# Altium PCB Mag256_9mm.PcbDoc (part 1 of 6) (continued)
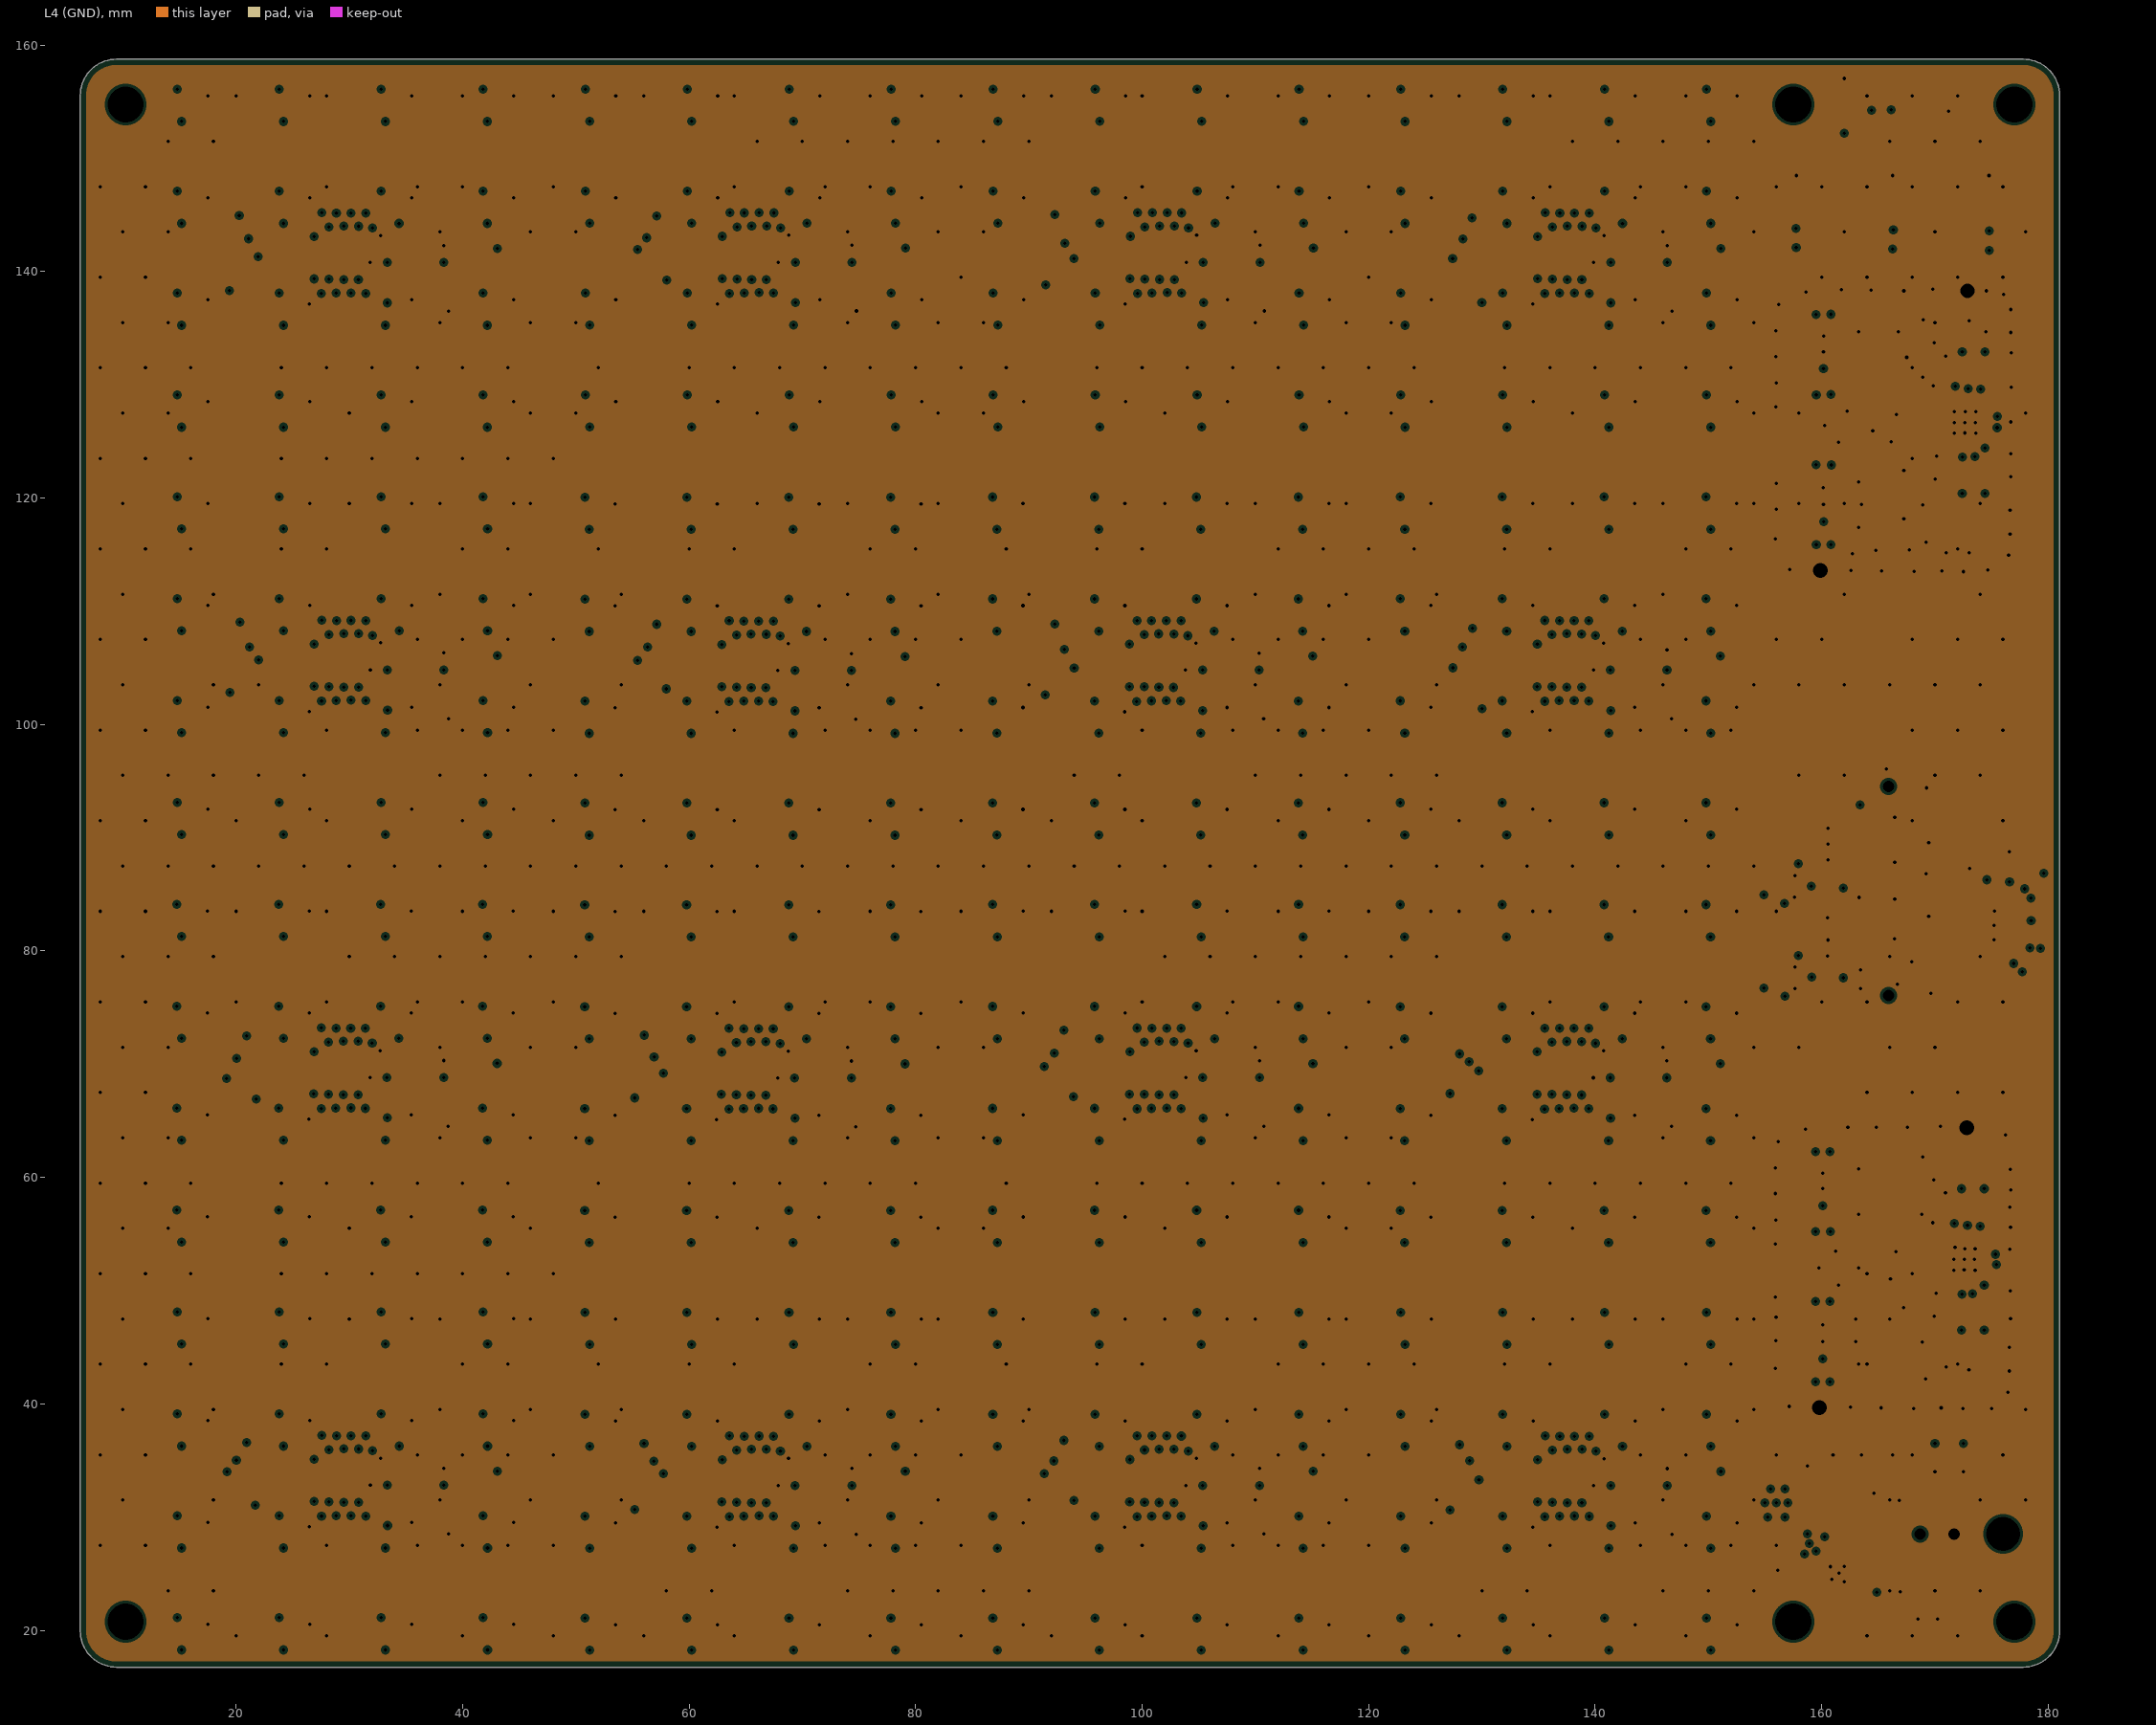
[diagram p4: L4 (GND), clearances drawn from the general rule]
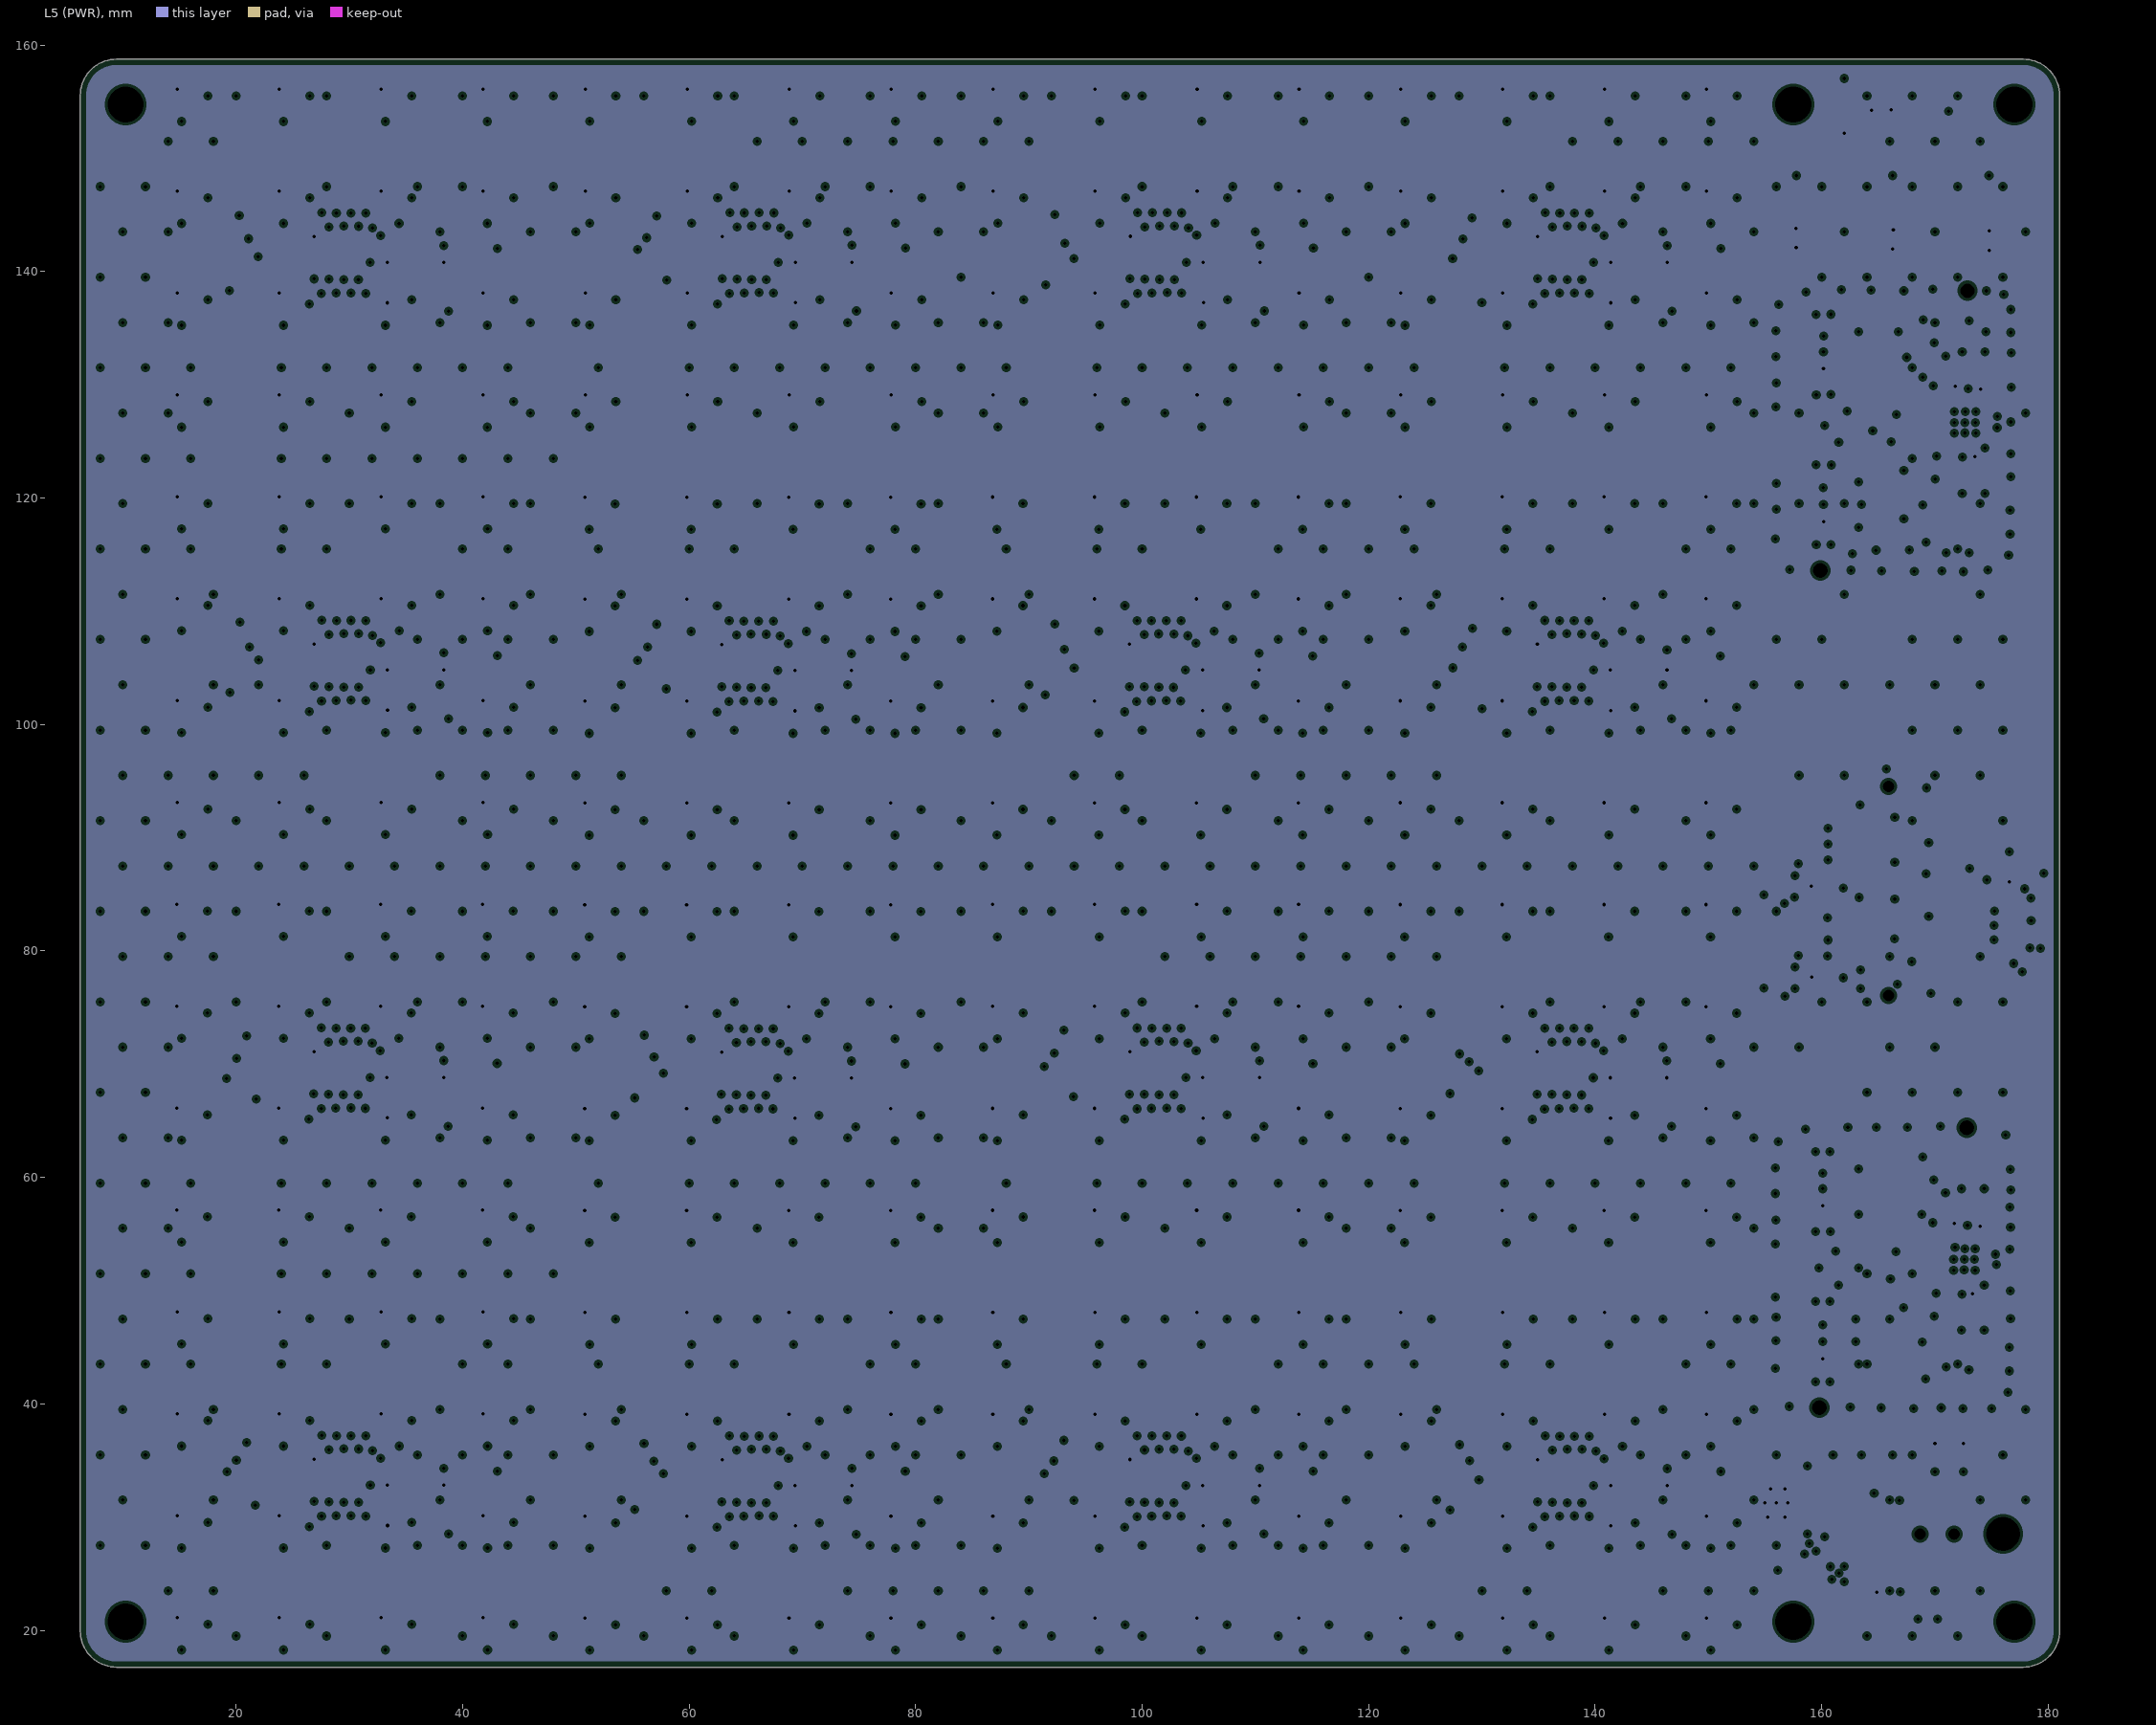
[diagram p5: L5 (PWR), clearances drawn from the general rule]
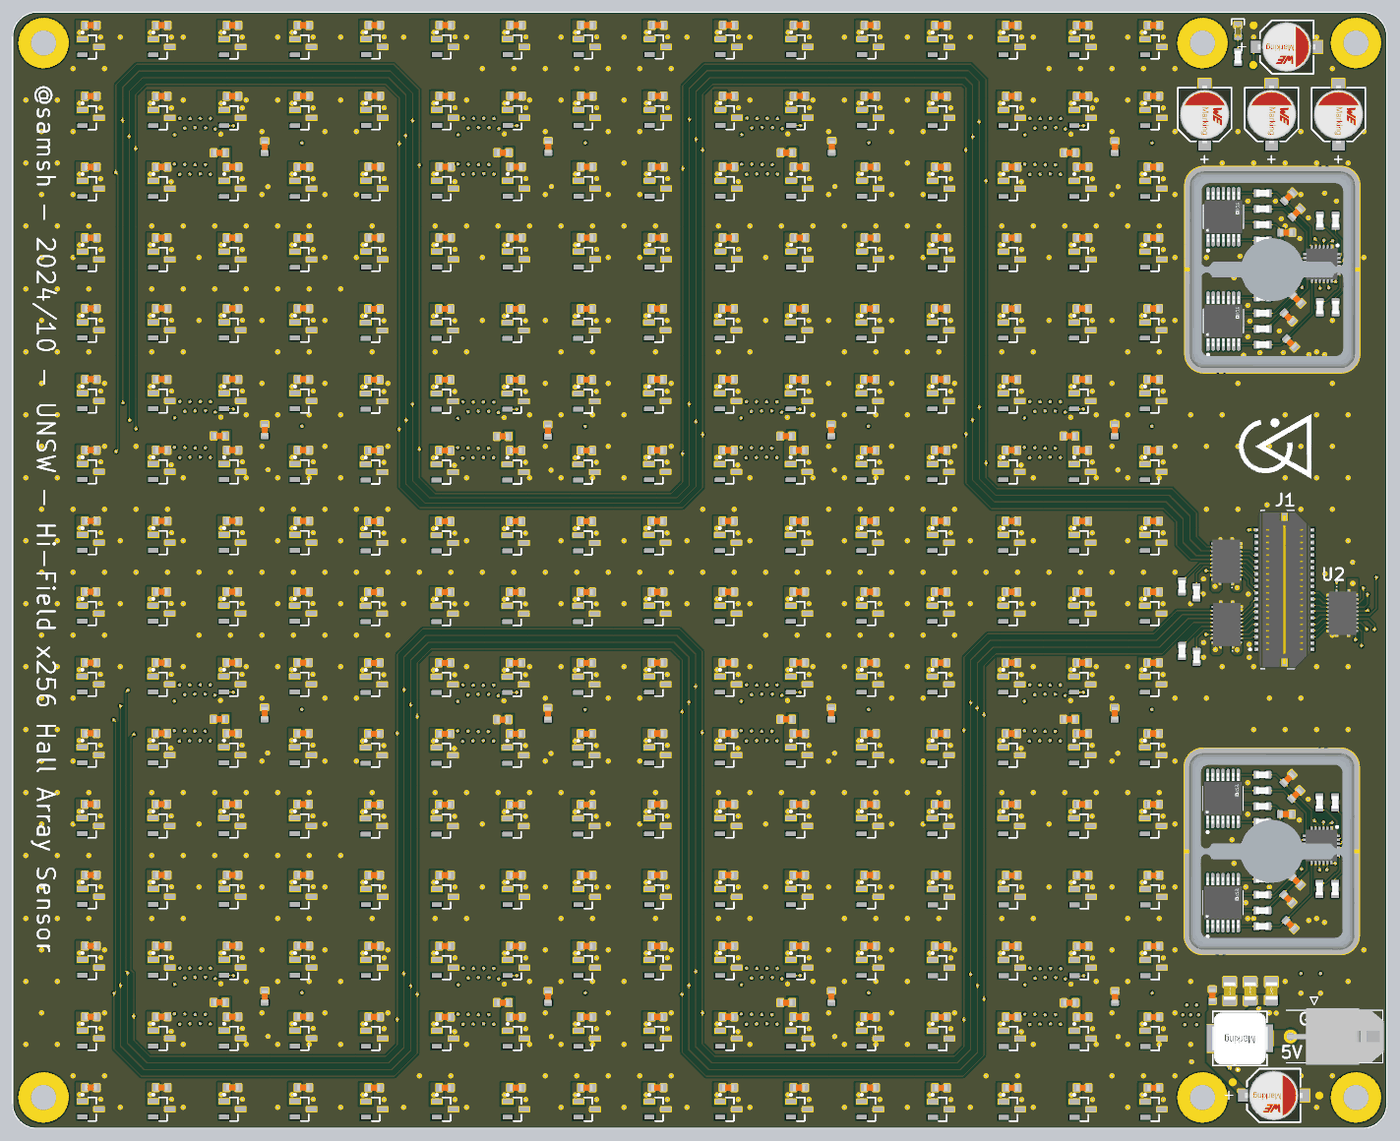
[diagram p11: 3D render of the assembled board from above, using the file's embedded part models]
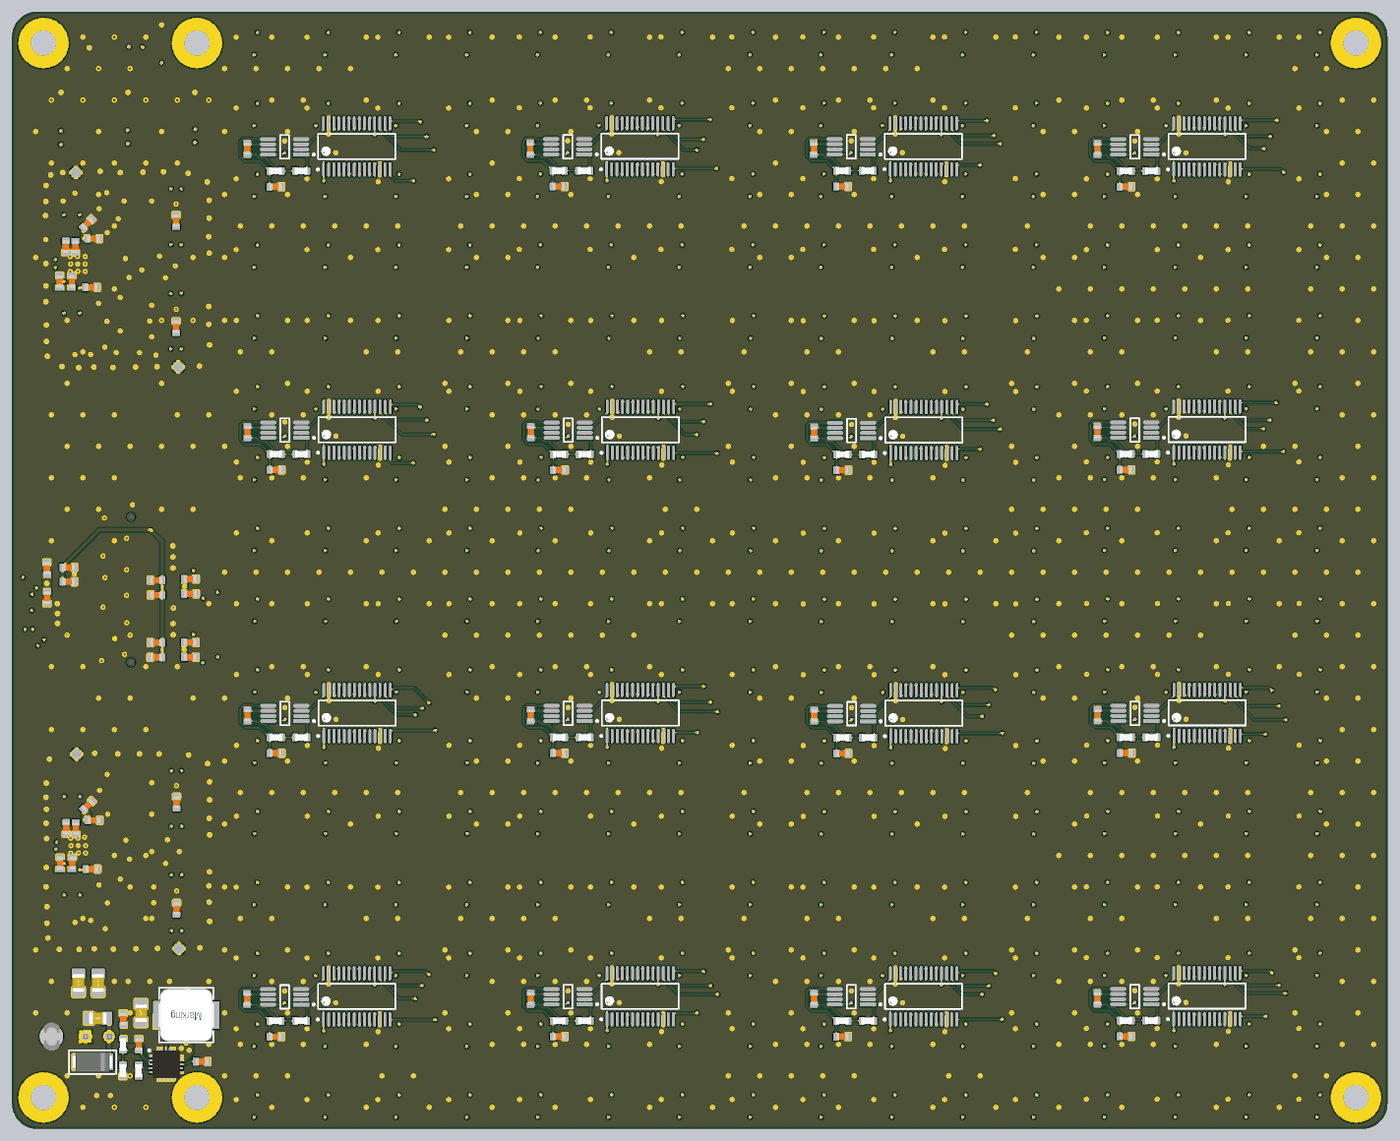
[diagram p12: 3D render of the assembled board from below, using the file's embedded part models]

## Layer stack, top to bottom
Top Mask: solder mask 0.015, Solder Resist, Dk 3.8
L1 (SIG): signal copper 0.035
Dielectric 1: prepreg 0.1, 2313, Dk 4.05
L2 (GND): plane copper 0.0175, net GND
Core 1: core 0.565, FR-4, Dk 4.5
L3 (SIG): signal copper 0.0175
Dielectric 2: prepreg 0.127, 2116, Dk 4.25
L4 (GND): plane copper 0.0175, net GND
Core 2: core 0.565, FR-4, Dk 4.5
L5 (PWR): plane copper 0.0175, net +3V3
Dielectric 3: prepreg 0.1, 2313, Dk 4.05
L6 (SIG): signal copper 0.035
Bottom Mask: solder mask 0.015, Solder Resist, Dk 3.8

## Board outline
6.245,19.95 6.245,155.55 cw(c9.445,155.55) 9.445,158.75 177.8,158.75 cw(c177.8,155.55) 181,155.55 181,19.95 cw(c177.8,19.95) 177.8,16.75 9.445,16.75 cw(c9.445,19.95)

## Design rules (kind name [scope] priority, off if disabled: settings)
BoardOutlineClearance [All] p1: gap=0.3 ignorepadtopadclearanceinfootprint=FALSE except(0.4: Arc-SplitBarrior Arc-SplitContinuation Track-SplitBarrior Track-SplitContinuation SMDPad-SplitBarrior SMDPad-SplitContinuation THPad-SplitBarrior THPad-SplitContinuation Via-SplitBarrior Via-SplitContinuation Fill-SplitBarrior Fill-SplitContinuation Poly-SplitBarrior Poly-SplitContinuation Region-SplitBarrior Region-SplitContinuation Text-SplitBarrior Text-SplitContinuation)
Clearance "Clearance Different Nets" [All] p1: gap=0.2 ignorepadtopadclearanceinfootprint=FALSE except(0.089: Arc-Arc Arc-Track Arc-SMDPad Track-Track Track-SMDPad; 0.127: SMDPad-SMDPad SMDPad-Via THPad-Via Via-Via; 0.254: Arc-Via Arc-Text Track-Via Track-Text SMDPad-Text THPad-Text Via-Text Fill-Text Poly-Text Region-Text Text-Text; 0.5: THPad-THPad Via-Hole)
Clearance "Clearance Same Nets" [All] p2: gap=0.2 ignorepadtopadclearanceinfootprint=FALSE except(0.089: Arc-Arc Arc-Track Arc-SMDPad Track-Track Track-SMDPad SMDPad-SMDPad; 0.127: SMDPad-Via THPad-Via; 0.254: Arc-Via Arc-Text Track-Via Track-Text SMDPad-Text THPad-Text Via-Via Via-Text Fill-Text Poly-Text Region-Text Text-Text)
Clearance "Clearance Bottom Layer" [OnLayer('Bottom Layer')] p3: gap=0.203 ignorepadtopadclearanceinfootprint=TRUE except(0.254: Arc-Text Track-Text SMDPad-Text THPad-Text Via-Text Fill-Text Poly-Text Region-Text Text-Text)
Clearance "Clearance Top Layer" [OnLayer('Top Layer')] p4: gap=0.203 ignorepadtopadclearanceinfootprint=TRUE except(0.254: Arc-Text Track-Text SMDPad-Text THPad-Text Via-Text Fill-Text Poly-Text Region-Text Text-Text)
HoleSize [All] p1: absolutevalues=TRUE maxlimit=6.3 minlimit=0.2 maxpercent=80.000 minpercent=20.000
MinimumAnnularRing [All] p1: minimumring=0.13
MinimumSolderMaskSliver [All] p1: minsoldermaskwidth=0.1
PlaneClearance [All] p1: clearance=0.254
PlaneConnect [All] p1: pad.planeconnectstyle=Relief pad.reliefexpansion=0.508 pad.reliefentries=4 pad.reliefconductorwidth=0.254 pad.reliefairgap=0.254 via.planeconnectstyle=Direct via.reliefexpansion=0.508 via.reliefentries=4 via.reliefconductorwidth=0.254 via.reliefairgap=0.254
PolygonConnect PolygonConnect_1 [All] p1: thpad.connectstyle=Relief thpad.reliefconductorwidth=0.508 thpad.reliefentries=4 thpad.polygonreliefangle="90 Angle" thpad.airgapwidth=0.254 smdpad.connectstyle=Direct smdpad.reliefconductorwidth=0.508 smdpad.reliefentries=4 smdpad.polygonreliefangle="90 Angle" smdpad.airgapwidth=0.254 via.connectstyle=Direct via.reliefconductorwidth=0.508 via.reliefentries=4 via.polygonreliefangle="90 Angle" via.airgapwidth=0.254
RoutingCorners [All] p1: cornerstyle=Round minsetback=2.54 maxsetback=2.54
RoutingVias [All] p1: holewidth=0.5 width=1 viastyle="Through Hole" minholewidth=0.2 minwidth=0.35 maxholewidth=1 maxwidth=2
SilkToSilkClearance [All] p1: silktosilkclearance=0.1
SilkToSolderMaskClearance [IsPad] p1: minsilkscreentomaskgap=0.1 clearancetoexposedcopper=TRUE
SolderMaskExpansion [All] p1: expansion=0.102 istentingtop=FALSE
SupplyNets "Schematic Supply Nets_6" [InNet('ATX_IN_K')] p1: voltage=0.000
SupplyNets "Schematic Supply Nets_5" [InNet('VIO')] p2: voltage=0.000
SupplyNets "Schematic Supply Nets_3" [InNet('GND')] p3: voltage=0.000
SupplyNets "Schematic Supply Nets_2" [InNet('VCC')] p4: voltage=0.000
SupplyNets "Schematic Supply Nets_1" [InNet('+3V3')] p5: voltage=0.000
SupplyNets "Schematic Supply Nets" [InNet('Vout')] p6: voltage=0.000
Width [All] p1: maxlimit=2.54 minlimit=0.089 preferedwidth=0.152
23 further rules are at their usual default settings.

## Classes and differential pairs
channel class PreDAQ_Filter: F11 F12 F21 F22
channel class PostMUX_Filter: F11 F12 F13 F14 F15 F16 F17 F18 F19 F110 F111 F112 F113 F114 F115 F116
channel class MUX_Block: B1 B2 B3 B4 B5 B6 B7 B8 B9 B10 B11 B12 B13 B14 B15 B16
channel class DAQ: ADC1 ADC2
net class Out[1..16]: Out1 Out2 Out3 Out4 Out5 Out6 Out7 Out8 Out9 Out10 Out11 Out12 Out13 Out14 Out15 Out16
component class PWR: C37 C38 C39 C40 C41 C42 C43 C44 C45 C46 C47 C48 C49 C50 C51 C52 D1 D2 IC2 J2 L1 L2 R9 R10 R11 R12 TP1 TP2 TP3 TP4
component class Main: C25 C26 C27 C28 C29 C30 C31 C32 C33 C34 C35 C36 J1 R5 R6 R7 R8 U1 U2 U3
component class F116: C53_F116 C54_F116 C55_F116 R13_F116 R14_F116 U4_F116
component class F115: C53_F115 C54_F115 C55_F115 R13_F115 R14_F115 U4_F115
component class F114: C53_F114 C54_F114 C55_F114 R13_F114 R14_F114 U4_F114
component class F113: C53_F113 C54_F113 C55_F113 R13_F113 R14_F113 U4_F113
component class F112: C53_F112 C54_F112 C55_F112 R13_F112 R14_F112 U4_F112
component class F111: C53_F111 C54_F111 C55_F111 R13_F111 R14_F111 U4_F111
component class F110: C53_F110 C54_F110 C55_F110 R13_F110 R14_F110 U4_F110
component class F22: C56_F22 C57_F22 C58_F22 C59_F22 C60_F22 R15_F22 R16_F22 R17_F22 R18_F22 U6_F22
component class F21: C56_F21 C57_F21 C58_F21 C59_F21 C60_F21 R15_F21 R16_F21 R17_F21 R18_F21 U6_F21
component class F19: C53_F19 C54_F19 C55_F19 R13_F19 R14_F19 U4_F19
component class F18: C53_F18 C54_F18 C55_F18 R13_F18 R14_F18 U4_F18
component class F17: C53_F17 C54_F17 C55_F17 R13_F17 R14_F17 U4_F17
component class F16: C53_F16 C54_F16 C55_F16 R13_F16 R14_F16 U4_F16
component class F15: C53_F15 C54_F15 C55_F15 R13_F15 R14_F15 U4_F15
component class F14: C53_F14 C54_F14 C55_F14 R13_F14 R14_F14 U4_F14
component class F13: C53_F13 C54_F13 C55_F13 R13_F13 R14_F13 U4_F13
component class F12: C56_F12 C57_F12 C58_F12 C59_F12 C60_F12 R15_F12 R16_F12 R17_F12 R18_F12 U6_F12
component class F11: C56_F11 C57_F11 C58_F11 C59_F11 C60_F11 R15_F11 R16_F11 R17_F11 R18_F11 U6_F11
component class B16: C1_B16 C2_B16 C3_B16 C4_B16 C5_B16 C6_B16 C7_B16 C8_B16 C9_B16 C10_B16 C11_B16 C12_B16 C13_B16 C14_B16 C15_B16 C16_B16 C17_B16 MAG1_B16 MAG2_B16 MAG3_B16 MAG4_B16 MAG5_B16 MAG6_B16 MAG7_B16 MAG8_B16 MAG9_B16 MAG10_B16 MAG11_B16 MAG12_B16 MAG13_B16 MAG14_B16 MAG15_B16 MAG16_B16 U5_B16
component class B15: C1_B15 C2_B15 C3_B15 C4_B15 C5_B15 C6_B15 C7_B15 C8_B15 C9_B15 C10_B15 C11_B15 C12_B15 C13_B15 C14_B15 C15_B15 C16_B15 C17_B15 MAG1_B15 MAG2_B15 MAG3_B15 MAG4_B15 MAG5_B15 MAG6_B15 MAG7_B15 MAG8_B15 MAG9_B15 MAG10_B15 MAG11_B15 MAG12_B15 MAG13_B15 MAG14_B15 MAG15_B15 MAG16_B15 U5_B15
component class B14: C1_B14 C2_B14 C3_B14 C4_B14 C5_B14 C6_B14 C7_B14 C8_B14 C9_B14 C10_B14 C11_B14 C12_B14 C13_B14 C14_B14 C15_B14 C16_B14 C17_B14 MAG1_B14 MAG2_B14 MAG3_B14 MAG4_B14 MAG5_B14 MAG6_B14 MAG7_B14 MAG8_B14 MAG9_B14 MAG10_B14 MAG11_B14 MAG12_B14 MAG13_B14 MAG14_B14 MAG15_B14 MAG16_B14 U5_B14
component class B13: C1_B13 C2_B13 C3_B13 C4_B13 C5_B13 C6_B13 C7_B13 C8_B13 C9_B13 C10_B13 C11_B13 C12_B13 C13_B13 C14_B13 C15_B13 C16_B13 C17_B13 MAG1_B13 MAG2_B13 MAG3_B13 MAG4_B13 MAG5_B13 MAG6_B13 MAG7_B13 MAG8_B13 MAG9_B13 MAG10_B13 MAG11_B13 MAG12_B13 MAG13_B13 MAG14_B13 MAG15_B13 MAG16_B13 U5_B13
component class B12: C1_B12 C2_B12 C3_B12 C4_B12 C5_B12 C6_B12 C7_B12 C8_B12 C9_B12 C10_B12 C11_B12 C12_B12 C13_B12 C14_B12 C15_B12 C16_B12 C17_B12 MAG1_B12 MAG2_B12 MAG3_B12 MAG4_B12 MAG5_B12 MAG6_B12 MAG7_B12 MAG8_B12 MAG9_B12 MAG10_B12 MAG11_B12 MAG12_B12 MAG13_B12 MAG14_B12 MAG15_B12 MAG16_B12 U5_B12
component class B11: C1_B11 C2_B11 C3_B11 C4_B11 C5_B11 C6_B11 C7_B11 C8_B11 C9_B11 C10_B11 C11_B11 C12_B11 C13_B11 C14_B11 C15_B11 C16_B11 C17_B11 MAG1_B11 MAG2_B11 MAG3_B11 MAG4_B11 MAG5_B11 MAG6_B11 MAG7_B11 MAG8_B11 MAG9_B11 MAG10_B11 MAG11_B11 MAG12_B11 MAG13_B11 MAG14_B11 MAG15_B11 MAG16_B11 U5_B11
component class B10: C1_B10 C2_B10 C3_B10 C4_B10 C5_B10 C6_B10 C7_B10 C8_B10 C9_B10 C10_B10 C11_B10 C12_B10 C13_B10 C14_B10 C15_B10 C16_B10 C17_B10 MAG1_B10 MAG2_B10 MAG3_B10 MAG4_B10 MAG5_B10 MAG6_B10 MAG7_B10 MAG8_B10 MAG9_B10 MAG10_B10 MAG11_B10 MAG12_B10 MAG13_B10 MAG14_B10 MAG15_B10 MAG16_B10 U5_B10
component class B9: C1_B9 C2_B9 C3_B9 C4_B9 C5_B9 C6_B9 C7_B9 C8_B9 C9_B9 C10_B9 C11_B9 C12_B9 C13_B9 C14_B9 C15_B9 C16_B9 C17_B9 MAG1_B9 MAG2_B9 MAG3_B9 MAG4_B9 MAG5_B9 MAG6_B9 MAG7_B9 MAG8_B9 MAG9_B9 MAG10_B9 MAG11_B9 MAG12_B9 MAG13_B9 MAG14_B9 MAG15_B9 MAG16_B9 U5_B9
component class B8: C1_B8 C2_B8 C3_B8 C4_B8 C5_B8 C6_B8 C7_B8 C8_B8 C9_B8 C10_B8 C11_B8 C12_B8 C13_B8 C14_B8 C15_B8 C16_B8 C17_B8 MAG1_B8 MAG2_B8 MAG3_B8 MAG4_B8 MAG5_B8 MAG6_B8 MAG7_B8 MAG8_B8 MAG9_B8 MAG10_B8 MAG11_B8 MAG12_B8 MAG13_B8 MAG14_B8 MAG15_B8 MAG16_B8 U5_B8
component class B7: C1_B7 C2_B7 C3_B7 C4_B7 C5_B7 C6_B7 C7_B7 C8_B7 C9_B7 C10_B7 C11_B7 C12_B7 C13_B7 C14_B7 C15_B7 C16_B7 C17_B7 MAG1_B7 MAG2_B7 MAG3_B7 MAG4_B7 MAG5_B7 MAG6_B7 MAG7_B7 MAG8_B7 MAG9_B7 MAG10_B7 MAG11_B7 MAG12_B7 MAG13_B7 MAG14_B7 MAG15_B7 MAG16_B7 U5_B7
component class B6: C1_B6 C2_B6 C3_B6 C4_B6 C5_B6 C6_B6 C7_B6 C8_B6 C9_B6 C10_B6 C11_B6 C12_B6 C13_B6 C14_B6 C15_B6 C16_B6 C17_B6 MAG1_B6 MAG2_B6 MAG3_B6 MAG4_B6 MAG5_B6 MAG6_B6 MAG7_B6 MAG8_B6 MAG9_B6 MAG10_B6 MAG11_B6 MAG12_B6 MAG13_B6 MAG14_B6 MAG15_B6 MAG16_B6 U5_B6
component class B5: C1_B5 C2_B5 C3_B5 C4_B5 C5_B5 C6_B5 C7_B5 C8_B5 C9_B5 C10_B5 C11_B5 C12_B5 C13_B5 C14_B5 C15_B5 C16_B5 C17_B5 MAG1_B5 MAG2_B5 MAG3_B5 MAG4_B5 MAG5_B5 MAG6_B5 MAG7_B5 MAG8_B5 MAG9_B5 MAG10_B5 MAG11_B5 MAG12_B5 MAG13_B5 MAG14_B5 MAG15_B5 MAG16_B5 U5_B5
component class B4: C1_B4 C2_B4 C3_B4 C4_B4 C5_B4 C6_B4 C7_B4 C8_B4 C9_B4 C10_B4 C11_B4 C12_B4 C13_B4 C14_B4 C15_B4 C16_B4 C17_B4 MAG1_B4 MAG2_B4 MAG3_B4 MAG4_B4 MAG5_B4 MAG6_B4 MAG7_B4 MAG8_B4 MAG9_B4 MAG10_B4 MAG11_B4 MAG12_B4 MAG13_B4 MAG14_B4 MAG15_B4 MAG16_B4 U5_B4
component class B3: C1_B3 C2_B3 C3_B3 C4_B3 C5_B3 C6_B3 C7_B3 C8_B3 C9_B3 C10_B3 C11_B3 C12_B3 C13_B3 C14_B3 C15_B3 C16_B3 C17_B3 MAG1_B3 MAG2_B3 MAG3_B3 MAG4_B3 MAG5_B3 MAG6_B3 MAG7_B3 MAG8_B3 MAG9_B3 MAG10_B3 MAG11_B3 MAG12_B3 MAG13_B3 MAG14_B3 MAG15_B3 MAG16_B3 U5_B3
component class B2: C1_B2 C2_B2 C3_B2 C4_B2 C5_B2 C6_B2 C7_B2 C8_B2 C9_B2 C10_B2 C11_B2 C12_B2 C13_B2 C14_B2 C15_B2 C16_B2 C17_B2 MAG1_B2 MAG2_B2 MAG3_B2 MAG4_B2 MAG5_B2 MAG6_B2 MAG7_B2 MAG8_B2 MAG9_B2 MAG10_B2 MAG11_B2 MAG12_B2 MAG13_B2 MAG14_B2 MAG15_B2 MAG16_B2 U5_B2
component class B1: C1_B1 C2_B1 C3_B1 C4_B1 C5_B1 C6_B1 C7_B1 C8_B1 C9_B1 C10_B1 C11_B1 C12_B1 C13_B1 C14_B1 C15_B1 C16_B1 C17_B1 MAG1_B1 MAG2_B1 MAG3_B1 MAG4_B1 MAG5_B1 MAG6_B1 MAG7_B1 MAG8_B1 MAG9_B1 MAG10_B1 MAG11_B1 MAG12_B1 MAG13_B1 MAG14_B1 MAG15_B1 MAG16_B1 U5_B1
component class ADC2: C18_ADC2 C19_ADC2 C20_ADC2 C21_ADC2 C22_ADC2 C23_ADC2 C24_ADC2 IC1_ADC2 MP1_ADC2 R1_ADC2 R2_ADC2 R3_ADC2 R4_ADC2
component class ADC1: C18_ADC1 C19_ADC1 C20_ADC1 C21_ADC1 C22_ADC1 C23_ADC1 C24_ADC1 IC1_ADC1 MP1_ADC1 R1_ADC1 R2_ADC1 R3_ADC1 R4_ADC1
